# Altium PCB spin5v1_simple.PcbDoc (part 4 of 25) (continued)
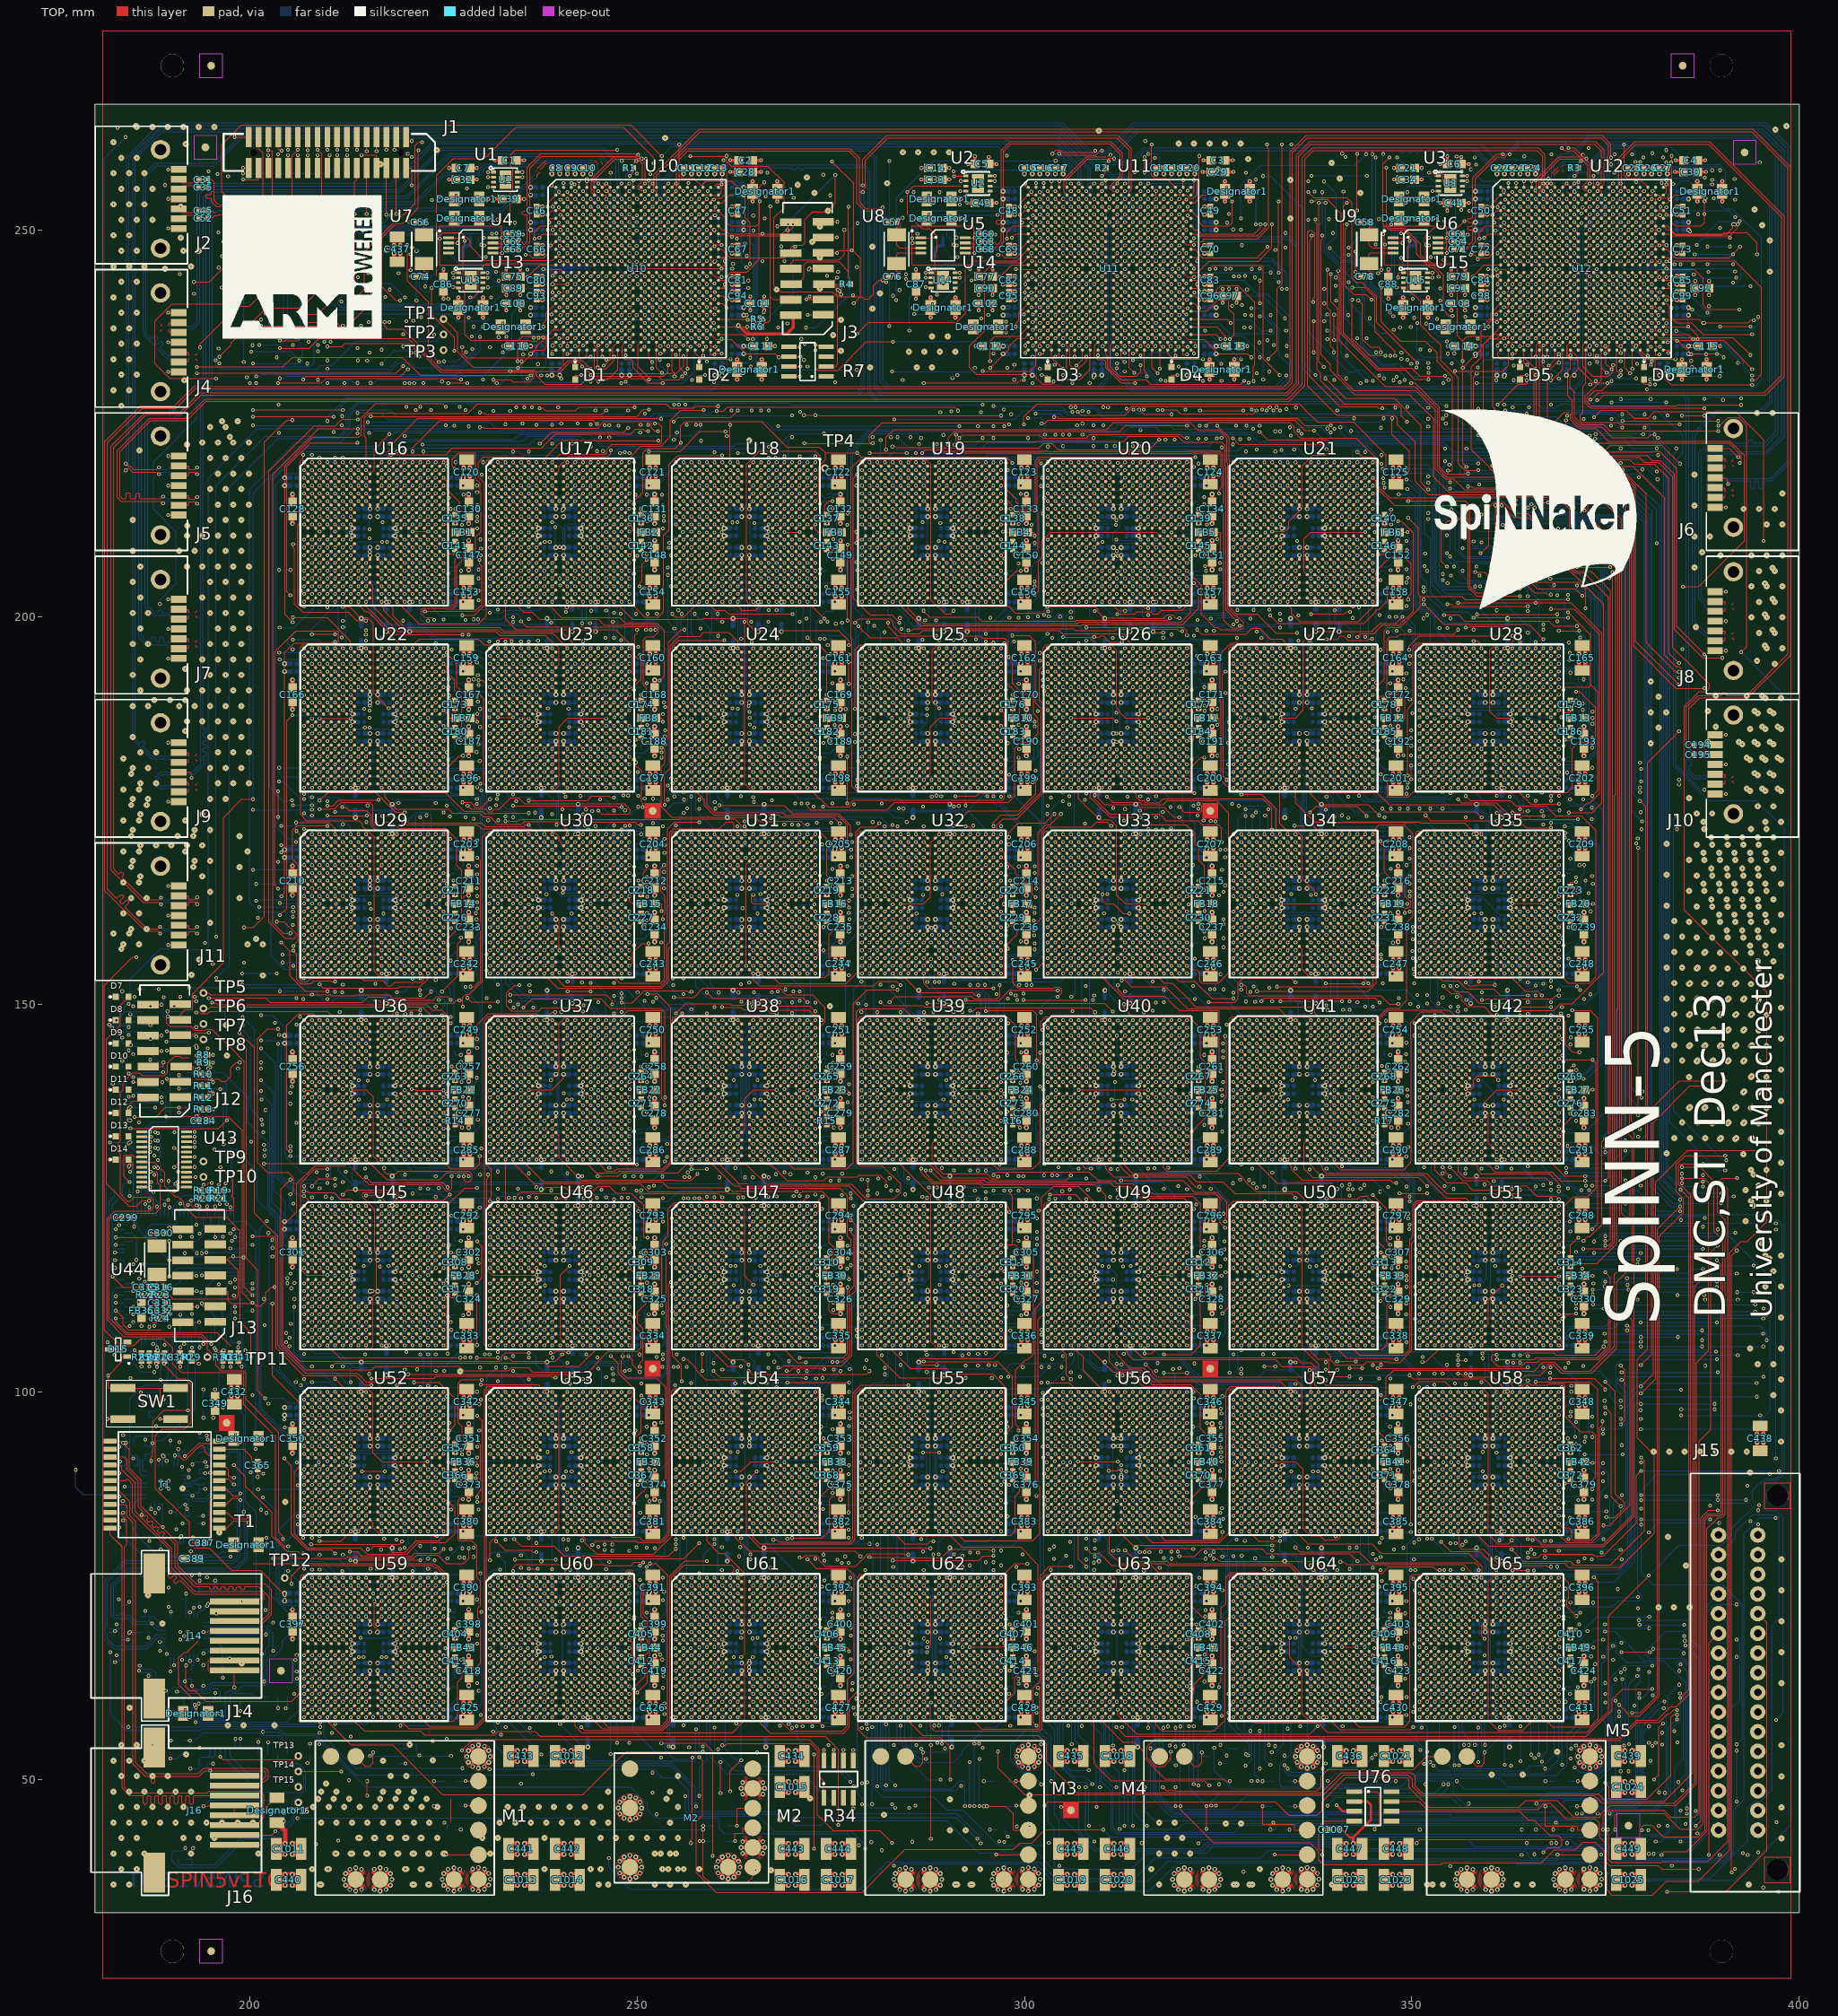
[diagram p0: TOP view]
## Nets (pads, with @x,y where several pads share a name; then routed paths per layer and width w, separated by ;. In a path a pad name is that pad's centre, name@x,y a point inside that pad or via, vN(x,y) a via of type N, cw(c..) or ccw(c..) an arc to the next point about the centre after c; other vN are vias at no path point) (continued)
U51.E13 U51.E14 U51.F9 U51.F11 U51.F12 U51.F13 U51.F14 U51.G12 U51.G13 U51.G14 U51.H5 U51.H6 U51.H7 U51.H17 U51.H18 U51.J12 U51.J13 U51.J14 U51.K5 U51.K6 U51.K7 U51.L12 U51.L13 U51.L14 U51.L17 U51.L18 U51.M5 U51.M6 U51.M7 U51.N5 U51.N6 U51.N7 U51.N8 U51.N10 U51.P5 U51.P6 U51.P7 U51.P8 U51.P10 U52.E9 U52.E11 U52.E12 U52.E13 U52.E14 U52.F9 U52.F11 U52.F12 U52.F13 U52.F14 U52.G12 U52.G13 U52.G14 U52.H5 U52.H6 U52.H7 U52.H17 U52.H18 U52.J12 U52.J13 U52.J14 U52.K5 U52.K6 U52.K7 U52.L12 U52.L13 U52.L14 U52.L17 U52.L18 U52.M5 U52.M6 U52.M7 U52.N5 U52.N6 U52.N7 U52.N8 U52.N10 U52.P5 U52.P6 U52.P7 U52.P8 U52.P10 U53.E9 U53.E11 U53.E12 U53.E13 U53.E14 U53.F9 U53.F11 U53.F12 U53.F13 U53.F14 U53.G12 U53.G13 U53.G14 U53.H5 U53.H6 U53.H7 U53.H17 U53.H18 U53.J12 U53.J13 U53.J14 U53.K5 U53.K6 U53.K7 U53.L12 U53.L13 U53.L14 U53.L17 U53.L18 U53.M5 U53.M6 U53.M7 U53.N5 U53.N6 U53.N7 U53.N8 U53.N10 U53.P5 U53.P6 U53.P7 U53.P8 U53.P10 U54.E9 U54.E11 U54.E12 U54.E13 U54.E14 U54.F9 U54.F11 U54.F12 U54.F13 U54.F14 U54.G12 U54.G13 U54.G14 U54.H5 U54.H6 U54.H7 U54.H17 U54.H18 U54.J12 U54.J13 U54.J14 U54.K5 U54.K6 U54.K7 U54.L12 U54.L13 U54.L14 U54.L17 U54.L18 U54.M5 U54.M6 U54.M7 U54.N5 U54.N6 U54.N7 U54.N8 U54.N10 U54.P5 U54.P6 U54.P7 U54.P8 U54.P10 U55.E9 U55.E11 U55.E12 U55.E13 U55.E14 U55.F9 U55.F11 U55.F12 U55.F13 U55.F14 U55.G12 U55.G13 U55.G14 U55.H5 U55.H6 U55.H7 U55.H17 U55.H18 U55.J12 U55.J13 U55.J14 U55.K5 U55.K6 U55.K7 U55.L12 U55.L13 U55.L14 U55.L17 U55.L18 U55.M5 U55.M6 U55.M7 U55.N5 U55.N6 U55.N7 U55.N8 U55.N10 U55.P5 U55.P6 U55.P7 U55.P8 U55.P10 U56.E9 U56.E11 U56.E12 U56.E13 U56.E14 U56.F9 U56.F11 U56.F12 U56.F13 U56.F14 U56.G12 U56.G13 U56.G14 U56.H5 U56.H6 U56.H7 U56.H17 U56.H18 U56.J12 U56.J13 U56.J14 U56.K5 U56.K6 U56.K7 U56.L12 U56.L13 U56.L14 U56.L17 U56.L18 U56.M5 U56.M6 U56.M7 U56.N5 U56.N6 U56.N7 U56.N8 U56.N10 U56.P5 U56.P6 U56.P7 U56.P8 U56.P10 U57.E9 U57.E11 U57.E12 U57.E13 U57.E14 U57.F9 U57.F11 U57.F12 U57.F13 U57.F14 U57.G12 U57.G13 U57.G14 U57.H5 U57.H6 U57.H7 U57.H17 U57.H18 U57.J12 U57.J13 U57.J14 U57.K5 U57.K6 U57.K7 U57.L12 U57.L13 U57.L14 U57.L17 U57.L18 U57.M5 U57.M6 U57.M7 U57.N5 U57.N6 U57.N7 U57.N8 U57.N10 U57.P5 U57.P6 U57.P7 U57.P8 U57.P10 U58.E9 U58.E11 U58.E12 U58.E13 U58.E14 U58.F9 U58.F11 U58.F12 U58.F13 U58.F14 U58.G12 U58.G13 U58.G14 U58.H5 U58.H6 U58.H7 U58.H17 U58.H18 U58.J12 U58.J13 U58.J14 U58.K5 U58.K6 U58.K7 U58.L12 U58.L13 U58.L14 U58.L17 U58.L18 U58.M5 U58.M6 U58.M7 U58.N5 U58.N6 U58.N7 U58.N8 U58.N10 U58.P5 U58.P6 U58.P7 U58.P8 U58.P10 U59.E9 U59.E11 U59.E12 U59.E13 U59.E14 U59.F9 U59.F11 U59.F12 U59.F13 U59.F14 U59.G12 U59.G13 U59.G14 U59.H5 U59.H6 U59.H7 U59.H17 U59.H18 U59.J12 U59.J13 U59.J14 U59.K5 U59.K6 U59.K7 U59.L12 U59.L13 U59.L14 U59.L17 U59.L18 U59.M5 U59.M6 U59.M7 U59.N5 U59.N6 U59.N7 U59.N8 U59.N10 U59.P5 U59.P6 U59.P7 U59.P8 U59.P10 U60.E9 U60.E11 U60.E12 U60.E13 U60.E14 U60.F9 U60.F11 U60.F12 U60.F13 U60.F14 U60.G12 U60.G13 U60.G14 U60.H5 U60.H6 U60.H7 U60.H17 U60.H18 U60.J12 U60.J13 U60.J14 U60.K5 U60.K6 U60.K7 U60.L12 U60.L13 U60.L14 U60.L17 U60.L18 U60.M5 U60.M6 U60.M7 U60.N5 U60.N6 U60.N7 U60.N8 U60.N10 U60.P5 U60.P6 U60.P7 U60.P8 U60.P10 U61.E9 U61.E11 U61.E12 U61.E13 U61.E14 U61.F9 U61.F11 U61.F12 U61.F13 U61.F14 U61.G12 U61.G13 U61.G14 U61.H5 U61.H6 U61.H7 U61.H17 U61.H18 U61.J12 U61.J13 U61.J14 U61.K5 U61.K6 U61.K7 U61.L12 U61.L13 U61.L14 U61.L17 U61.L18 U61.M5 U61.M6 U61.M7 U61.N5 U61.N6 U61.N7 U61.N8 U61.N10 U61.P5 U61.P6 U61.P7 U61.P8 U61.P10 U62.E9 U62.E11 U62.E12 U62.E13 U62.E14 U62.F9 U62.F11 U62.F12 U62.F13 U62.F14 U62.G12 U62.G13 U62.G14 U62.H5 U62.H6 U62.H7 U62.H17 U62.H18 U62.J12 U62.J13 U62.J14 U62.K5 U62.K6 U62.K7 U62.L12 U62.L13 U62.L14 U62.L17 U62.L18 U62.M5 U62.M6 U62.M7 U62.N5 U62.N6 U62.N7 U62.N8 U62.N10 U62.P5 U62.P6 U62.P7 U62.P8 U62.P10 U63.E9 U63.E11 U63.E12 U63.E13 U63.E14 U63.F9 U63.F11 U63.F12 U63.F13 U63.F14 U63.G12 U63.G13 U63.G14 U63.H5 U63.H6 U63.H7 U63.H17 U63.H18 U63.J12 U63.J13 U63.J14 U63.K5 U63.K6 U63.K7 U63.L12 U63.L13 U63.L14 U63.L17 U63.L18 U63.M5 U63.M6 U63.M7 U63.N5 U63.N6 U63.N7 U63.N8 U63.N10 U63.P5 U63.P6 U63.P7 U63.P8 U63.P10 U64.E9 U64.E11 U64.E12 U64.E13 U64.E14 U64.F9 U64.F11 U64.F12 U64.F13 U64.F14 U64.G12 U64.G13 U64.G14 U64.H5 U64.H6 U64.H7 U64.H17 U64.H18 U64.J12 U64.J13 U64.J14 U64.K5 U64.K6 U64.K7 U64.L12 U64.L13 U64.L14 U64.L17 U64.L18 U64.M5 U64.M6 U64.M7 U64.N5 U64.N6 U64.N7 U64.N8 U64.N10 U64.P5 U64.P6 U64.P7 U64.P8 U64.P10 U65.E9 U65.E11 U65.E12 U65.E13 U65.E14 U65.F9 U65.F11 U65.F12 U65.F13 U65.F14 U65.G12 U65.G13 U65.G14 U65.H5 U65.H6 U65.H7 U65.H17 U65.H18 U65.J12 U65.J13 U65.J14 U65.K5 U65.K6 U65.K7 U65.L12 U65.L13 U65.L14 U65.L17 U65.L18 U65.M5 U65.M6 U65.M7 U65.N5 U65.N6 U65.N7 U65.N8 U65.N10 U65.P5 U65.P6 U65.P7 U65.P8 U65.P10 U66.1 U66.6 U66.8 U66.10 U66.19 U67.10 U68.2 U69.11 U69.15 U69.16 U69.31 U69.41 U69.55 U69.72 U69.83 U69.97 U70.2 U71.33 U72.33 U73.2 U74.2 U75.2 U75.3 U75.8 U75.9 U75.10 U76.2 U77.4 | length 686.1
  TOP w0.127: v1(181.633,96.5) SW1.4@183.6,96.5 ; C299.2@184.53,122.5 185.066,122.5 v1(185.066,121.328) ; v1(184.556,136.773) 184.556,137.246 184.874,137.564 186.84,137.564 J12.2@186.84,138 ; v1(184.933,140) J12.4@186.84,140 ; U43.12@186.05,126.425 v1(187.117,126.425) ; U43.11@186.05,127.075 v1(187.231,127.075) ; U43.2@186.05,132.925 v1(187.231,132.925) ; v1(186.433,114.237) 186.506,114.164 186.506,113.933 187.03,113.933 C315.2@187.03,113.754 ; J12.8@186.84,144 v1(188.582,144) ; J12.10@186.84,146 v1(188.582,146) ; J12.14@186.84,150 v1(188.582,150) ; J12.6@186.875,142 188.765,142 188.836,142.071 v1(188.836,142.527) ; v1(187,103.268) R26.2@187,103.97 ; C315.2@187.03,113.5 C315.2@187.03,113.754 ; v1(187.257,120.5) C300.2@187.97,120.5 ; R23.2@187.97,112.5 187.97,112.923 187.565,112.923 187.565,113.5 C316.2@187.97,113.5 187.97,113.754 C315.2@187.03,113.754 ; v1(188,103.238) R27.2@188,103.97 ; v1(188.401,96.5) SW1.3@190.4,96.5 ; C332.2@189.03,110.5 189.03,110.067 v1(189.742,110.067) 189.742,111.373 189.615,111.5 C331.2@189.03,111.5 ; v1(189.443,157.69) J11.1@190.81,157.69 ; v1(189.443,161.5) J11.4@190.81,161.5 ; v1(189.443,165.31) J11.7@190.81,165.31 ; v1(189.443,176.19) J9.1@190.81,176.19 ; v1(189.443,183.81) J9.7@190.81,183.81 ; v1(189.443,194.69) J7.1@190.81,194.69 ; v1(189.443,198.5) J7.4@190.81,198.5 ; v1(189.443,202.31) J7.7@190.81,202.31 ; v1(189.443,213.19) J5.1@190.81,213.19 ; v1(189.443,217) J5.4@190.81,217 ; v1(189.443,220.81) J5.7@190.81,220.81 ; v1(189.443,231.69) J4.1@190.81,231.69 ; v1(189.443,235.5) J4.4@190.81,235.5 ; v1(189.443,239.31) J4.7@190.81,239.31 ; v1(189.443,250.19) J2.1@190.81,250.19 ; v1(189.443,254) J2.4@190.81,254 ; v1(189.443,257.81) J2.7@190.81,257.81 ; v1(189.598,117) J13.10@191.34,117 ; v1(189.598,121.237) 191.34,121.237 J13.14@191.34,121 ; v1(190.651,127.075) U43.14@191.8,127.075 ; v1(190.733,126.425) U43.13@191.8,126.425 ; v1(190.733,128.431) 191.8,128.431 U43.16@191.8,128.375 ; J9.4@190.81,180 192.212,180 192.466,179.746 v1(192.466,179.286) ; v1(191,103.258) C340.2@191,103.97 ; J13.2@191.34,109 v1(193.431,109) ; J13.4@191.34,111 v1(193.196,111) ; J13.8@191.34,115 v1(193.082,115) ; J13.6@191.375,113 v1(193.117,113) ; 191.4,58.5 v1(192.442,58.5) ; C389.2@191.6,78.5 192.366,78.5 v1(192.366,79.417) ; U43.15@191.8,127.725 v1(192.981,127.725) ; U43.22@191.8,132.275 v1(192.867,132.275) ; v1(192.623,81.237) 192.623,80.5 C387.2@193.22,80.5 ; C284.2@194.53,135 v1(195.242,135) ; v1(195.26,96.658) 195.26,97.6 C349.2@195.5,97.6 ; C341.2@198.5,103.97 198.5,103.498 198.74,103.258 v1(198.931,103.258) ; v1(199.103,256.509) 201.11,256.509 J1.32@201.11,258 ; v1(199.103,258) J1.34@199.84,258 ; v1(200.058,94) 201.1,94 ; v1(201,89.013) C365.2@201,89.97 ; 201.1,80.25 201.1,80.423 v1(202.142,80.423) ; J1.30@202.38,258 v1(202.38,259.667) ; J1.28@203.65,258 v1(203.65,259.781) ; J1.26@204.92,258 v1(204.92,259.667) ; J1.24@206.19,258 v1(206.19,259.667) ; J1.22@207.46,258 v1(207.46,259.667) ; J1.20@208.73,258 v1(208.73,259.667) ; J1.18@210,258 210.307,258 v1(210.307,259.667) ; v1(210,260.333) J1.17@210,262 ; v1(211.27,260.333) J1.15@211.27,262 ; v1(212.54,260.333) J1.13@212.54,262 ; v1(213.81,260.333) J1.11@213.81,262 ; v1(215.08,260.161) J1.9@215.08,262 ; v1(216.35,260.161) J1.7@216.35,262 ; v1(217.62,260.333) J1.5@217.62,262 ; v1(218.658,260.333) 218.658,262 J1.3@218.89,262 ; J1.1@220.16,262 220.16,261.47 v1(220.897,261.47) ; v1(220.577,251) C56.2@221.47,251 ; v1(220.758,244) C74.2@221.47,244 ; v1(225,161) 225,160.809 225.24,160.569 225.788,160.569 225.939,160.72 C226.2@226.5,160.72 ; v1(225,165) 225.082,165.082 225.741,165.082 225.939,165.28 C217.2@226.5,165.28 ; v1(225,209) 225.685,208.315 225.685,208.311 225.812,208.184 226.5,208.184 C141.2@226.5,208.72 ; U4.2@225.625,248.325 v1(226.806,248.325) ; v1(225.733,113.431) 225.733,113 225.862,112.871 225.862,112.311 225.989,112.184 226.5,112.184 C317.2@226.5,112.72 ; v1(225.734,189.28) C173.2@226.5,189.28 ; v1(225.734,213.28) C135.2@226.5,213.28 ; v1(225.968,117.993) 226.4,117.993 226.5,117.893 C308.2@226.5,117.28 ; v1(226.055,142) 226.26,142 226.5,141.76 C263.2@226.5,141.28 ; v1(226.258,242.637) 226.95,242.637 U13.4@226.95,242.525 ; C411.2@226.5,64.72 226.5,64.248 226.74,64.008 v1(226.968,64.008) ; C404.2@226.5,69.28 226.5,69.752 226.74,69.992 v1(226.968,69.992) ; C366.2@226.5,88.72 226.5,88.134 v1(227.237,88.134) ; C357.2@226.5,93.28 226.5,93.76 226.74,94 v1(226.968,94) ; C270.2@226.5,136.72 226.5,136.134 v1(227.237,136.134) ; C180.2@226.5,184.72 226.5,184.134 v1(227.237,184.134) ; v1(230.758,255.525) U1.4@231.45,255.525 ; U4.5@231.375,247.025 v1(232.556,247.025) ; v1(238.933,255.731) 238.942,255.731 239.173,255.5 U10.A1@239.5,255.5 ; v1(239,234) 239,234.5 U10.AB1@239.5,234.5 ; v1(240,247.928) 240.3,247.928 240.5,247.728 U10.J2@240.5,247.5 ; v1(240.066,243.901) 240.3,243.901 240.5,243.701 U10.N2@240.5,243.5 ; v1(240.099,239.009) 240.26,239.009 240.5,239.249 U10.U2@240.5,239.5 ; v1(240.099,251.935) 240.26,251.935 240.5,251.695 U10.E2@240.5,251.5 ; v1(243,235.099) 243.3,235.099 243.5,235.299 U10.AA5@243.5,235.5 ; U10.B7@245.5,254.5 246,254.5 246,254 ; v1(246.031,233.228) 246.494,233.228 246.891,233.625 246.891,234.891 U10.AA9@247.5,235.5 ; U10.A11@249.5,255.5 v1(249.5,256.421) ; v1(249.721,69.28) C405.2@250.5,69.28 ; v1(249.721,189.28) C174.2@250.5,189.28 ; v1(249.763,184.177) 250.5,184.177 C181.2@250.5,184.72 ; v1(250.069,64.008) 250.26,64.008 250.5,64.248 C412.2@250.5,64.72 ; v1(250.069,88.006) 250.26,88.006 250.5,88.246 C367.2@250.5,88.72 ; C358.2@250.5,93.28 v1(251.237,93.28) ; C318.2@250.5,112.72 250.5,112.184 251.124,112.184 v1(251.237,112.297) ; C309.2@250.5,117.28 v1(251.237,117.28) ; C271.2@250.5,136.72 250.5,136.134 v1(251.255,136.134) ; C264.2@250.5,141.28 v1(251.237,141.28) ; C227.2@250.5,160.72 250.5,160.248 250.74,160.008 v1(250.931,160.008) ; C218.2@250.5,165.28 250.806,165.28 250.806,166.991 251.227,167.412 v1(251.227,167.927) ; C142.2@250.5,208.72 250.5,208.134 v1(251.237,208.134) ; C136.2@250.5,213.28 v1(251.237,213.28) ; U10.A13@251.5,255.5 v1(251.5,256.421) ; U10.AA17@255.5,235.5 255.5,235.299 255.7,235.099 v1(256,235.099) ; U10.U21@259.5,239.5 259.5,239.299 259.7,239.099 v1(260,239.099) ; U10.N21@259.5,243.5 259.5,243.299 259.7,243.099 v1(260,243.099) ; U10.J21@259.5,247.5 259.5,247.701 259.7,247.901 v1(260,247.901) ; U10.E21@259.5,251.5 259.5,251.701 259.7,251.901 v1(260,251.901) ; U10.AB22@260.5,234.5 260.309,234.5 260.109,234.3 260.109,234.165 260.209,234.065 v1(260.901,234.065) ; U10.AA22@260.5,235.5 260.701,235.5 260.901,235.7 v1(260.901,235.931) ; U10.A22@260.5,255.5 260.309,255.5 260.109,255.7 260.109,255.801 260.209,255.901 v1(260.901,255.901) ; R7.7@269.6,232.37 v1(271.081,232.37) ; R7.6@269.6,233.64 v1(271.081,233.64) ; R7.5@269.6,234.91 269.6,234.895 v1(270.967,234.895) ; v1(271.858,241.04) J3.3@274.02,241.04 ; v1(272.027,239.04) J3.1@274.02,239.04 ; v1(272.129,244.915) 272.137,244.915 272.262,245.04 J3.7@274.02,245.04 ; v1(273.033,235.149) 274.4,235.149 R7.4@274.4,234.91 ; v1(273.763,136.184) 274.5,136.184 C272.2@274.5,136.72 ; J3.9@274.02,247.04 v1(275.78,247.04) ; J3.11@274.02,249.04 v1(275.777,249.04) ; J3.13@274.02,251.04 v1(275.832,251.04) ; v1(274.055,93.992) 274.26,93.992 274.5,93.752 C359.2@274.5,93.28 ; v1(274.062,160.008) 274.26,160.008 274.5,160.248 C228.2@274.5,160.72 ; J3.5@274.125,243 275,243 v1(275.827,243.827) ; C413.2@274.5,64.72 274.5,64.134 v1(275.237,64.134) ; C406.2@274.5,69.28 274.5,69.752 274.74,69.992 v1(274.968,69.992) ; C368.2@274.5,88.72 274.5,88.184 v1(275.237,88.184) ; C319.2@274.5,112.72 274.5,112.184 274.806,111.878 274.806,110.474 275.187,110.093 v2(276.25,110.093) ; C310.2@274.5,117.28 274.5,117.761 274.74,118.001 v1(274.968,118.001) ; C265.2@274.5,141.28 v1(275.237,141.28) ; C219.2@274.5,165.28 v1(275.237,165.28) ; C182.2@274.5,184.72 274.5,184.24 274.74,184 v1(274.931,184) ; C175.2@274.5,189.28 v1(275.237,189.28) ; C143.2@274.5,208.72 274.5,208.184 275.038,208.184 275.237,208.383 v1(275.237,208.868) ; C137.2@274.5,213.28 274.204,213.28 274.204,214.428 274.776,215 v1(275.227,215) ; R34.7@275.37,52.4 v1(275.37,53.767) ; v1(275.944,242.273) 275.944,243 R4.2@276.47,243 ; C279.2@276.233,135.117 C279.2@276.25,135.1 ; R34.6@276.64,52.4 v1(276.64,53.767) ; v1(277.91,46.233) R34.4@277.91,47.6 ; v1(282.155,243.263) 281.92,243.263 281.68,243.503 281.68,243.801 281.879,244 C76.2@282.47,244 ; C57.2@282.47,251 281.934,251 281.934,251.461 282.034,251.561 v1(284.279,251.561) ; v1(285.558,248.325) U5.2@286.625,248.325 ; v1(287.258,242.637) 287.95,242.637 U14.4@287.95,242.525 ; v1(291.706,255.025) U2.4@292.45,255.025 ; U5.5@292.375,247.025 v1(293.556,247.025) ; v1(297.623,213.992) 297.623,213.534 297.877,213.28 C138.2@298.5,213.28 ; v1(297.734,189.28) C176.2@298.5,189.28 ; v1(297.763,136.184) 298.5,136.184 C273.2@298.5,136.72 ; v1(297.763,160.184) 298.5,160.184 C229.2@298.5,160.72 ; v1(298.069,64.008) 298.26,64.008 298.5,64.248 C414.2@298.5,64.72 ; v1(298.069,69.992) 298.26,69.992 298.5,69.752 C407.2@298.5,69.28 ; C369.2@298.5,88.72 298.5,88.12 298.74,87.88 v1(298.968,87.88) ; C360.2@298.5,93.28 298.5,93.76 298.74,94 v1(298.968,94) ; C320.2@298.5,112.72 298.5,112.184 v1(299.237,112.184) ; C311.2@298.5,117.28 298.5,117.76 298.74,118 v1(298.968,118) ; C266.2@298.5,141.28 v1(299.237,141.28) ; C220.2@298.5,165.28 v1(299.267,165.28) ; C183.2@298.5,184.72 298.5,184.184 299.124,184.184 v1(299.237,184.297) ; C144.2@298.5,208.72 298.5,208.184 v1(299.237,208.184) ; v1(300.099,234.099) 300.099,234.3 300.299,234.5 U11.AB1@300.5,234.5 ; v1(300.099,255.997) 300.099,255.7 300.299,255.5 U11.A1@300.5,255.5 ; v1(301,243.927) 301.3,243.927 301.5,243.727 U11.N2@301.5,243.5 ; v1(301,247.901) 301.3,247.901 301.5,247.701 U11.J2@301.5,247.5 ; v1(301.099,239.099) 301.3,239.099 301.5,239.299 U11.U2@301.5,239.5 ; v1(301.099,251.901) 301.3,251.901 301.5,251.701 U11.E2@301.5,251.5 ; U11.AA5@304.5,235.5 304.5,235.299 304.7,235.099 v1(305,235.099) ; v1(308,235) 308.5,235 U11.AA9@308.5,235.5 ; U11.A11@310.5,255.5 v1(310.5,256.421) ; U11.AA13@312.5,235.5 312.5,235.24 312.74,235 v1(312.952,235) ; U11.AA17@316.5,235.5 316.5,235.24 316.74,235 v1(316.901,235) ; U11.B17@316.5,254.5 317,254.5 v1(317,255) ; U11.U21@320.5,239.5 320.5,239.299 320.7,239.099 v1(320.901,239.099) ; U11.N21@320.5,243.5 320.5,243.305 320.74,243.065 v1(320.901,243.065) ; U11.J21@320.5,247.5 320.5,247.24 320.74,247 v1(320.901,247) ; U11.E21@320.5,251.5 320.5,251.305 320.74,251.065 v1(320.901,251.065) ; v1(321.099,255.065) 321.099,255.3 321.299,255.5 U11.A22@321.5,255.5 ; U11.AB22@321.5,234.5 321.701,234.5 321.901,234.3 v1(321.901,234.065) ; U11.AA22@321.5,235.5 322.065,235.5 v1(322.065,235) ; v1(321.734,93.28) C361.2@322.5,93.28 ; v1(321.734,117.28) C312.2@322.5,117.28 ; v1(321.734,141.28) C267.2@322.5,141.28 ; v1(321.734,165.28) C221.2@322.5,165.28 ; v1(322.055,208.008) 322.26,208.008 322.5,208.248 C145.2@322.5,208.72 ; v1(322.069,112.005) 322.26,112.005 322.5,112.245 C321.2@322.5,112.72 ; C415.2@322.5,64.72 322.5,64.24 322.74,64 v1(322.931,64) ; C408.2@322.5,69.28 v1(323.237,69.28) ; C370.2@322.5,88.72 322.5,88.184 322.982,88.184 323.3,88.502 v1(323.3,89) ; C274.2@322.5,136.72 322.5,136.248 322.74,136.008 v1(322.931,136.008) ; C230.2@322.5,160.72 322.5,160.248 322.74,160.008 v1(322.931,160.008) ; C184.2@322.5,184.72 322.5,184.108 322.6,184.008 v1(323.037,184.008) ; C177.2@322.5,189.28 v1(323.237,189.28) ; C139.2@322.5,213.28 v1(323.237,213.28) ; C1007.2@340.53,43.5 C1007.2@340.555,43.475 ; v1(342.758,244) C78.2@343.47,244 ; v1(342.758,251) C58.2@343.47,251 ; v1(345.671,112.8) 345.671,112.311 345.798,112.184 346.5,112.184 C322.2@346.5,112.72 ; v1(345.671,208.138) 346.5,208.138 C146.2@346.5,208.72 ; v1(345.734,165.28) C222.2@346.5,165.28 ; v1(345.763,189.2) 345.763,189.689 345.89,189.816 346.5,189.816 C178.2@346.5,189.28 ; v1(346.055,117.992) 346.26,117.992 346.5,117.752 C313.2@346.5,117.28 ; v1(346.069,160.008) 346.26,160.008 346.5,160.248 C231.2@346.5,160.72 ; v1(346.168,93.742) 346.26,93.742 346.5,93.502 C364.2@346.5,93.03 ; C416.2@346.5,64.72 346.5,64.134 v1(347.237,64.134) ; C409.2@346.5,69.28 346.5,69.9 346.6,70 v1(347.227,70) ; C371.2@346.5,88.72 346.5,88.134 v1(347.237,88.134) ; C275.2@346.5,136.72 346.5,136.134 v1(347.237,136.134) ; C268.2@346.5,141.28 v1(347.237,141.28) ; C185.2@346.5,184.72 346.5,184.134 v1(347.237,184.134) ; C140.2@346.5,213.28 v1(347.335,213.28) ; U6.2@347.625,248.325 v1(348.806,248.325) ; v1(348.034,242.568) 348.103,242.637 348.95,242.637 U15.4@348.95,242.525 ; v1(352.706,255.025) U3.4@353.45,255.025 ; U6.5@353.375,247.025 v1(354.556,247.025) ; U12.AB1@361.5,234.5 361.109,234.109 361.109,233.721 361.427,233.403 v1(362.97,233.403) ; U12.A1@361.5,255.5 361.701,255.5 361.901,255.3 v1(361.901,255.099) ; v1(362,252) 362.5,252 U12.E2@362.5,251.5 ; v1(362.065,239.066) 362.3,239.066 362.5,239.266 U12.U2@362.5,239.5 ; v1(362.099,243) 362.26,243 362.5,243.24 U12.N2@362.5,243.5 ; v1(362.099,248) 362.26,248 362.5,247.76 U12.J2@362.5,247.5 ; v1(365,235.099) 365.3,235.099 365.5,235.299 U12.AA5@365.5,235.5 ; U12.B7@367.5,254.5 367.5,254 368,254 ; v1(369,235.099) 369.3,235.099 369.5,235.299 U12.AA9@369.5,235.5 ; v1(369.763,88.184) 370.5,88.184 C372.2@370.5,88.72 ; v1(369.763,184.184) 370.5,184.184 C186.2@370.5,184.72 ; C417.2@370.5,64.72 370.5,64.248 370.74,64.008 v1(370.931,64.008) ; C410.2@370.5,69.28 v1(371.237,69.28) ; C362.2@370.5,93.28 v1(371.237,93.28) ; C323.2@370.5,112.72 370.5,112.184 v1(371.237,112.184) ; C314.2@370.5,117.28 370.5,118.927 v1(371.5,119.927) ; v1(370.5,135.925) C276.2@370.5,136.72 ; C269.2@370.5,141.28 370.5,141.899 370.74,142.139 v1(370.931,142.139) ; C232.2@370.5,160.72 370.806,160.72 370.806,160.248 371.046,160.008 v1(371.093,160.008) ; C223.2@370.5,165.28 370.5,165.816 v1(371.237,165.816) ; C179.2@370.5,189.28 v1(371.237,189.28) ; U12.A11@371.5,255.5 v1(371.5,256.181) ; U12.AA13@373.5,235.5 373.5,235.299 373.7,235.099 v1(373.901,235.099) ; U12.A13@373.5,255.5 v1(373.5,256.997) ; v1(377,234.099) 377,235 U12.AA17@377.5,235.5 ; U12.U21@381.5,239.5 381.5,239.24 381.74,239 v1(381.901,239) ; U12.N21@381.5,243.5 381.5,243.727 381.7,243.927 v1(382,243.927) ; U12.J21@381.5,247.5 381.5,248 v1(382,248) ; U12.E21@381.5,251.5 381.5,251.736 381.7,251.936 v1(382,251.936) ; U12.AB22@382.5,234.5 383.425,234.5 383.496,234.429 383.496,234.349 383.256,234.109 v1(383.135,234.109) ; U12.AA22@382.5,235.5 v1(383.067,235.5) ; U12.A22@382.5,255.5 382.701,255.5 382.901,255.7 v1(382.901,255.901) ; J10.7@389.19,177.19 v1(390.557,177.19) ; J10.4@389.19,181 v1(390.557,181) ; J10.1@389.19,184.81 v1(390.557,184.81) ; J8.7@389.19,195.69 v1(390.557,195.69) ; J8.4@389.19,199.5 v1(390.557,199.5) ; J8.1@389.19,203.31 v1(390.557,203.31) ; J6.7@389.19,214.19 v1(390.557,214.19) ; J6.4@389.19,218 390.465,218 390.846,217.619 v1(390.846,217.183) ; J6.1@389.19,221.81 391.027,221.81 v1(392.167,220.67)
  TOP w0.2: C59.2@234.53,249.5 235.1,249.5 235.2,249.4 v1(235.242,249.4) ; C60.2@295.53,249.5 296.1,249.5 296.2,249.4 v1(296.242,249.4) ; C61.2@356.53,249.5 357.1,249.5 357.2,249.4 v1(357.242,249.4)
  TOP w0.3: C1007.2@340.555,43.475 341.03,43.475 342.014,42.491 342.45,42.491 ; v2(342.45,41.7) 342.45,42.491 ; U76.2@342.6,47.13 344.277,47.13 344.719,46.688 344.719,44.76 342.45,42.491
  TOP w0.4: 215.883,36.118 M1.3@216.825,37.06 ; 215.883,38.002 M1.3@216.825,37.06 ; v2@216.825,35.8 M1.3@216.825,37.06 ; v2@216.825,38.32 M1.3@216.825,37.06 ; 217.767,36.118 M1.3@216.825,37.06 ; 217.767,38.002 M1.3@216.825,37.06 ; v1(225,241.1) C86.2@225,242.1 ; 225.403,36.118 M1.4@226.345,37.06 ; 225.403,38.002 M1.4@226.345,37.06 ; v1(225.7,256.5) C32.2@226.6,256.5 ; v1(225.7,258) C7.2@226.6,258 ; v2@226.345,35.8 M1.4@226.345,37.06 ; v2@226.345,38.32 M1.4@226.345,37.06 ; 227.287,36.118 M1.4@226.345,37.06 ; 227.287,38.002 M1.4@226.345,37.06 ; v1(231.6,254) C39.2@232.6,254 ; v1(231.6,259) C1.2@232.6,259 ; v1(232.7,235) C110.2@233.6,235 ; v1(233.1,239.6) C100.2@233.1,240.5 ; v1(233.1,241.6) C89.2@233.1,242.5 ; C75.2@233.1,244 v1(233.1,245) ; 248.118,37.708 M2.3@249.06,38.65 ; 248.118,39.592 M2.3@249.06,38.65 ; v2@249.06,37.39 M2.3@249.06,38.65 ; v2@249.06,39.91 M2.3@249.06,38.65 ; 250.002,37.708 M2.3@249.06,38.65 ; 250.002,39.592 M2.3@249.06,38.65 ; v2@263.67,41.19 M2.6@264.93,41.19 ; 263.988,40.248 M2.6@264.93,41.19 ; 263.988,42.132 M2.6@264.93,41.19 ; C28.2@264.9,257.5 v1(266,257.5) ; C2.2@264.9,259 v1(266,259) ; 265.872,40.248 M2.6@264.93,41.19 ; 265.872,42.132 M2.6@264.93,41.19 ; v2@266.19,41.19 M2.6@264.93,41.19 ; v1(266.4,239.6) C101.2@266.4,240.5 v1(266.4,241.4) ; C111.2@266.9,235 v1(267.8,235) ; v1(286,241.1) C87.2@286,242.1 ; v1(286.7,256.5) C33.2@287.6,256.5 ; v1(286.7,258) C14.2@287.6,258 ; 286.883,36.118 M3.3@287.825,37.06 ; 286.883,38.002 M3.3@287.825,37.06 ; v2@287.825,35.8 M3.3@287.825,37.06 ; v2@287.825,38.32 M3.3@287.825,37.06 ; 288.767,36.118 M3.3@287.825,37.06 ; 288.767,38.002 M3.3@287.825,37.06 ; v1(292.6,253.5) C43.2@293.6,253.5 ; v1(292.7,258.5) C5.2@293.6,258.5 v1(293.6,259.5) ; v1(293.7,235) C112.2@294.6,235 ; v1(294.1,239.6) C102.2@294.1,240.5 ; v1(294.1,241.6) C90.2@294.1,242.5 ; C77.2@294.1,244 v1(294.1,245) ; 296.403,36.118 M3.4@297.345,37.06 ; 296.403,38.002 M3.4@297.345,37.06 ; v2@297.345,35.8 M3.4@297.345,37.06 ; v2@297.345,38.32 M3.4@297.345,37.06 ; 298.287,36.118 M3.4@297.345,37.06 ; 298.287,38.002 M3.4@297.345,37.06 ; 322.883,36.118 M4.3@323.825,37.06 ; 322.883,38.002 M4.3@323.825,37.06 ; v2@323.825,35.8 M4.3@323.825,37.06 ; v2@323.825,38.32 M4.3@323.825,37.06 ; 324.767,36.118 M4.3@323.825,37.06 ; 324.767,38.002 M4.3@323.825,37.06 ; C29.2@325.9,257.5 v1(327,257.5) ; C3.2@325.9,259 v1(326.9,259) ; v1(327.4,240.6) C97.2@327.4,241.5 v1(327.4,242.4) ; C113.2@327.9,235 v1(328.8,235) ; 332.403,36.118 M4.4@333.345,37.06 ; 332.403,38.002 M4.4@333.345,37.06 ; v2@333.345,35.8 M4.4@333.345,37.06 ; v2@333.345,38.32 M4.4@333.345,37.06 ; 334.287,36.118 M4.4@333.345,37.06 ; 334.287,38.002 M4.4@333.345,37.06 ; v1(347,241.1) C88.2@347,242.1 ; v1(347.7,256.5) C34.2@348.6,256.5 ; v1(347.7,258) C21.2@348.6,258 ; v1(353.7,253.5) C44.2@354.6,253.5 v1(354.6,252.5) ; v1(353.7,258.5) C6.2@354.6,258.5 v1(354.6,259.5) ; v1(354.7,235) C114.2@355.6,235 ; v1(355.1,239.6) C103.2@355.1,240.5 ; v1(355.1,241.6) C91.2@355.1,242.5 ; C79.2@355.1,244 v1(355.1,245) ; 359.383,36.118 M5.3@360.325,37.06 ; 359.383,38.002 M5.3@360.325,37.06 ; v2@360.325,35.8 M5.3@360.325,37.06 ; v2@360.325,38.32 M5.3@360.325,37.06 ; 361.267,36.118 M5.3@360.325,37.06 ; 361.267,38.002 M5.3@360.325,37.06 ; 368.903,36.118 M5.4@369.845,37.06 ; 368.903,38.002 M5.4@369.845,37.06 ; v2@369.845,35.8 M5.4@369.845,37.06 ; v2@369.845,38.32 M5.4@369.845,37.06 ; 370.787,36.118 M5.4@369.845,37.06 ; 370.787,38.002 M5.4@369.845,37.06 ; C30.2@386.9,257.5 v1(388,257.5) ; C4.2@386.9,259 v1(387.9,259) ; v1(388.4,241.6) C92.2@388.4,242.5 v1(388.4,243.4) ; C115.2@388.9,235 v1(389.8,235)
  TOP w0.6: 203.5,44.4 204.55,43.35 v2(204.55,41.7) ; v1(225.3,251.5) 226.4,251.5 v1(227.6,251.5) ; v1(225.3,254) 226.4,254 v1(227.6,254) ; v1(226.9,238.7) 226.9,240 v1(226.9,241.3) ; v1(231.3,237.5) 232.4,237.5 v1(233.4,237.5) ; v1(266.1,230.7) 266.1,232 v1(266.1,233.3) ; v1(268.1,253.7) 268.1,255 v1(268.1,256.3) ; v1(286.3,251.5) 287.4,251.5 v1(288.6,251.5) ; v1(286.3,254) 287.4,254 v1(288.6,254) ; v1(287.9,238.7) 287.9,240 v1(287.9,241.3) ; v1(292.3,237.5) 293.4,237.5 v1(294.4,237.5) ; v1(327.1,230.7) 327.1,232 v1(327.1,233.3) ; v1(329.1,253.7) 329.1,255 v1(329.1,256.3) ; v1(347.3,251.5) 348.4,251.5 v1(349.6,251.5) ; v1(347.3,254) 348.4,254 v1(349.6,254) ; v1(348.9,238.7) 348.9,240 v1(348.9,241.3) ; v1(353.3,237.5) 354.4,237.5 v1(355.4,237.5) ; v1(388.1,230.7) 388.1,232 v1(388.1,233.3) ; v1(390.1,253.7) 390.1,255 v1(390.1,256.3)
  TOP w0.61: v2(237.76,242) v2@237.762,242 ; v2(237.76,244) v2@237.762,244 ; v2(237.76,248) v2@237.762,248 ; v2(237.76,253) v2@237.762,253 ; v2@240,257.238 v2(240,257.24) ; v2@242,257.238 v2(242,257.24) ; v2@244,257.238 v2(244,257.24) ; v2@257,257.238 v2(257,257.24) ; v2@259,257.238 v2(259,257.24) ; v2@261,257.238 v2(261,257.24) ; v2@262.238,241 v2(262.24,241) ; v2@262.238,243 v2(262.24,243) ; v2@262.238,247 v2(262.24,247) ; v2@262.238,252 v2(262.24,252) ; v2(298.76,242) v2@298.762,242 ; v2(298.76,244) v2@298.762,244 ; v2(298.76,248) v2@298.762,248 ; v2(298.76,253) v2@298.762,253 ; v2@301,257.238 v2(301,257.24) ; v2@303,257.238 v2(303,257.24) ; v2@305,257.238 v2(305,257.24) ; v2@318,257.238 v2(318,257.24) ; v2@320,257.238 v2(320,257.24) ; v2@322,257.238 v2(322,257.24) ; v2@323.238,241 v2(323.24,241) ; v2@323.238,243 v2(323.24,243) ; v2@323.238,247 v2(323.24,247) ; v2@323.238,252 v2(323.24,252) ; v2(359.76,242) v2@359.762,242 ; v2(359.76,244) v2@359.762,244 ; v2(359.76,248) v2@359.762,248 ; v2(359.76,253) v2@359.762,253 ; v2@362,257.238 v2(362,257.24) ; v2@364,257.238 v2(364,257.24) ; v2@366,257.238 v2(366,257.24) ; v2@379,257.238 v2(379,257.24) ; v2@381,257.238 v2(381,257.24) ; v2@383,257.238 v2(383,257.24) ; v2@384.238,241 v2(384.24,241) ; v2@384.238,243 v2(384.24,243) ; v2@384.238,247 v2(384.24,247) ; v2@384.238,252 v2(384.24,252)

## Text inside footprints (layer, text, board x,y; h text height)
U35: PIN_NUMBER "J17" at 367.166,163.5 h0.24; PIN_NUMBER "M17" at 367.166,160.5 h0.24; PIN_NUMBER "M18" at 368.166,160.5 h0.24; PIN_NUMBER "J18" at 368.166,163.5 h0.24; PIN_NUMBER "B18" at 368.166,170.5 h0.24; PIN_NUMBER "G16" at 366.166,165.5 h0.24; PIN_NUMBER "J16" at 366.166,163.5 h0.24; PIN_NUMBER "C17" at 367.166,169.5 h0.24; PIN_NUMBER "C18" at 368.166,169.5 h0.24; PIN_NUMBER "D16" at 366.166,168.5 h0.24; PIN_NUMBER "K15" at 365.166,162.5 h0.24; PIN_NUMBER "K16" at 366.166,162.5 h0.24; PIN_NUMBER "E18" at 368.166,167.5 h0.24; PIN_NUMBER "F16" at 366.166,166.5 h0.24; PIN_NUMBER "M16" at 366.166,160.5 h0.24; PIN_NUMBER "P14" at 364.166,158.5 h0.24; PIN_NUMBER "N13" at 363.166,159.5 h0.24; PIN_NUMBER "N14" at 364.166,159.5 h0.24; PIN_NUMBER "M12" at 362.166,160.5 h0.24; PIN_NUMBER "M13" at 363.166,160.5 h0.24; PIN_NUMBER "M14" at 364.166,160.5 h0.24; PIN_NUMBER "H12" at 362.166,164.5 h0.24; PIN_NUMBER "H13" at 363.166,164.5 h0.24; PIN_NUMBER "H14" at 364.166,164.5 h0.24; PIN_NUMBER "E6" at 355.854,167.5 h0.24; PIN_NUMBER "E7" at 356.854,167.5 h0.24; PIN_NUMBER "F7" at 356.854,166.5 h0.24; PIN_NUMBER "E8" at 357.854,167.5 h0.24; PIN_NUMBER "F8" at 357.854,166.5 h0.24; PIN_NUMBER "L5" at 354.854,161.5 h0.24; PIN_NUMBER "L6" at 355.854,161.5 h0.24; PIN_NUMBER "L7" at 356.854,161.5 h0.24; PIN_NUMBER "G7" at 356.854,165.5 h0.24; PIN_NUMBER "G5" at 354.854,165.5 h0.24; PIN_NUMBER "G6" at 355.854,165.5 h0.24; PIN_NUMBER "F5" at 354.854,166.5 h0.24; PIN_NUMBER "F6" at 355.854,166.5 h0.24; PIN_NUMBER "E5" at 354.854,167.5 h0.24; PIN_NUMBER "P11" at 361.166,158.5 h0.24; PIN_NUMBER "N11" at 361.166,159.5 h0.24; PIN_NUMBER "P12" at 362.166,158.5 h0.24; PIN_NUMBER "N12" at 362.166,159.5 h0.24; PIN_NUMBER "P13" at 363.166,158.5 h0.24; PIN_NUMBER "K12" at 362.166,162.5 h0.24; PIN_NUMBER "K13" at 363.166,162.5 h0.24; PIN_NUMBER "K14" at 364.166,162.5 h0.24; PIN_NUMBER "E10" at 359.936,167.5 h0.24; PIN_NUMBER "F10" at 359.936,166.5 h0.24; PIN_NUMBER "J5" at 354.854,163.5 h0.24; PIN_NUMBER "J6" at 355.854,163.5 h0.24; PIN_NUMBER "J7" at 356.854,163.5 h0.24; PIN_NUMBER "N9" at 358.854,159.5 h0.24; PIN_NUMBER "P9" at 358.854,158.5 h0.24; PIN_NUMBER "C16" at 366.166,169.5 h0.24; PIN_NUMBER "G17" at 367.166,165.5 h0.24; PIN_NUMBER "C13" at 363.166,169.5 h0.24; PIN_NUMBER "B13" at 363.166,170.5 h0.24; PIN_NUMBER "A13" at 363.166,171.5 h0.24; PIN_NUMBER "D14" at 364.166,168.5 h0.24; PIN_NUMBER "C14" at 364.166,169.5 h0.24; PIN_NUMBER "B14" at 364.166,170.5 h0.24; PIN_NUMBER "A14" at 364.166,171.5 h0.24; PIN_NUMBER "K17" at 367.166,162.5 h0.24; PIN_NUMBER "K18" at 368.166,162.5 h0.24; PIN_NUMBER "L15" at 365.166,161.5 h0.24; PIN_NUMBER "L16" at 366.166,161.5 h0.24; PIN_NUMBER "V6" at 355.854,154.5 h0.24; PIN_NUMBER "R7" at 356.854,157.5 h0.24; PIN_NUMBER "T5" at 354.854,156.5 h0.24; PIN_NUMBER "U5" at 354.854,155.5 h0.24; PIN_NUMBER "V5" at 354.854,154.5 h0.24; PIN_NUMBER "T4" at 353.854,156.5 h0.24; PIN_NUMBER "U4" at 353.854,155.5 h0.24; PIN_NUMBER "V4" at 353.854,154.5 h0.24; PIN_NUMBER "V3" at 352.854,154.5 h0.24; PIN_NUMBER "T7" at 356.854,156.5 h0.24; PIN_NUMBER "U7" at 356.854,155.5 h0.24; PIN_NUMBER "V7" at 356.854,154.5 h0.24; PIN_NUMBER "R6" at 355.854,157.5 h0.24; PIN_NUMBER "T6" at 355.854,156.5 h0.24; PIN_NUMBER "U6" at 355.854,155.5 h0.24; PIN_NUMBER "R5" at 354.854,157.5 h0.24; PIN_NUMBER "R17" at 367.166,157.5 h0.24; PIN_NUMBER "V18" at 368.166,154.5 h0.24; PIN_NUMBER "P18" at 368.166,158.5 h0.24; PIN_NUMBER "P17" at 367.166,158.5 h0.24; PIN_NUMBER "P16" at 366.166,158.5 h0.24; PIN_NUMBER "N18" at 368.166,159.5 h0.24; PIN_NUMBER "N17" at 367.166,159.5 h0.24; PIN_NUMBER "N16" at 366.166,159.5 h0.24; PIN_NUMBER "N15" at 365.166,159.5 h0.24; PIN_NUMBER "U18" at 368.166,155.5 h0.24; PIN_NUMBER "U17" at 367.166,155.5 h0.24; PIN_NUMBER "T18" at 368.166,156.5 h0.24; PIN_NUMBER "T17" at 367.166,156.5 h0.24; PIN_NUMBER "T16" at 366.166,156.5 h0.24; PIN_NUMBER "R18" at 368.166,157.5 h0.24; PIN_NUMBER "R16" at 366.166,157.5 h0.24; PIN_NUMBER "V12" at 362.166,154.5 h0.24; PIN_NUMBER "R13" at 363.166,157.5 h0.24; PIN_NUMBER "T15" at 365.166,156.5 h0.24; PIN_NUMBER "U15" at 365.166,155.5 h0.24; PIN_NUMBER "V15" at 365.166,154.5 h0.24; PIN_NUMBER "R14" at 364.166,157.5 h0.24; PIN_NUMBER "T14" at 364.166,156.5 h0.24; PIN_NUMBER "U14" at 364.166,155.5 h0.24; PIN_NUMBER "V14" at 364.166,154.5 h0.24; PIN_NUMBER "T13" at 363.166,156.5 h0.24; PIN_NUMBER "U13" at 363.166,155.5 h0.24; PIN_NUMBER "V13" at 363.166,154.5 h0.24; PIN_NUMBER "R12" at 362.166,157.5 h0.24; PIN_NUMBER "T12" at 362.166,156.5 h0.24; PIN_NUMBER "U12" at 362.166,155.5 h0.24; PIN_NUMBER "V16" at 366.166,154.5 h0.24; PIN_NUMBER "V8" at 357.854,154.5 h0.24; PIN_NUMBER "R9" at 358.854,157.5 h0.24; PIN_NUMBER "T11" at 361.166,156.5 h0.24; PIN_NUMBER "U11" at 361.166,155.5 h0.24; PIN_NUMBER "V11" at 361.166,154.5 h0.24; PIN_NUMBER "R10" at 359.936,157.5 h0.24; PIN_NUMBER "T10" at 359.936,156.5 h0.24; PIN_NUMBER "U10" at 359.936,155.5 h0.24; PIN_NUMBER "V10" at 359.936,154.5 h0.24; PIN_NUMBER "T9" at 358.854,156.5 h0.24; PIN_NUMBER "U9" at 358.854,155.5 h0.24; PIN_NUMBER "V9" at 358.854,154.5 h0.24; PIN_NUMBER "R8" at 357.854,157.5 h0.24; PIN_NUMBER "T8" at 357.854,156.5 h0.24; PIN_NUMBER "U8" at 357.854,155.5 h0.24; PIN_NUMBER "R11" at 361.166,157.5 h0.24; PIN_NUMBER "A8" at 357.854,171.5 h0.24; PIN_NUMBER "D9" at 358.854,168.5 h0.24; PIN_NUMBER "C11" at 361.166,169.5 h0.24; PIN_NUMBER "B11" at 361.166,170.5 h0.24; PIN_NUMBER "A11" at 361.166,171.5 h0.24; PIN_NUMBER "D10" at 359.936,168.5 h0.24; PIN_NUMBER "C10" at 359.936,169.5 h0.24; PIN_NUMBER "B10" at 359.936,170.5 h0.24; PIN_NUMBER "A10" at 359.936,171.5 h0.24; PIN_NUMBER "C9" at 358.854,169.5 h0.24; PIN_NUMBER "B9" at 358.854,170.5 h0.24; PIN_NUMBER "A9" at 358.854,171.5 h0.24; PIN_NUMBER "D8" at 357.854,168.5 h0.24; PIN_NUMBER "C8" at 357.854,169.5 h0.24; PIN_NUMBER "B8" at 357.854,170.5 h0.24; PIN_NUMBER "D11" at 361.166,168.5 h0.24; PIN_NUMBER "A3" at 352.854,171.5 h0.24; PIN_NUMBER "D5" at 354.854,168.5 h0.24; PIN_NUMBER "C7" at 356.854,169.5 h0.24; PIN_NUMBER "B7" at 356.854,170.5 h0.24; PIN_NUMBER "A7" at 356.854,171.5 h0.24; PIN_NUMBER "D6" at 355.854,168.5 h0.24; PIN_NUMBER "C6" at 355.854,169.5 h0.24; PIN_NUMBER "B6" at 355.854,170.5 h0.24; PIN_NUMBER "A6" at 355.854,171.5 h0.24; PIN_NUMBER "C5" at 354.854,169.5 h0.24; PIN_NUMBER "B5" at 354.854,170.5 h0.24; PIN_NUMBER "A5" at 354.854,171.5 h0.24; PIN_NUMBER "C4" at 353.854,169.5 h0.24; PIN_NUMBER "B4" at 353.854,170.5 h0.24; PIN_NUMBER "A4" at 353.854,171.5 h0.24; PIN_NUMBER "D7" at 356.854,168.5 h0.24; PIN_NUMBER "C15" at 365.166,169.5 h0.24; PIN_NUMBER "B15" at 365.166,170.5 h0.24; PIN_NUMBER "A15" at 365.166,171.5 h0.24; PIN_NUMBER "B16" at 366.166,170.5 h0.24; PIN_NUMBER "A16" at 366.166,171.5 h0.24; PIN_NUMBER "A17" at 367.166,171.5 h0.24; PIN_NUMBER "A18" at 368.166,171.5 h0.24; PIN_NUMBER "B17" at 367.166,170.5 h0.24; PIN_NUMBER "H16" at 366.166,164.5 h0.24; PIN_NUMBER "H15" at 365.166,164.5 h0.24; PIN_NUMBER "B12" at 362.166,170.5 h0.24; PIN_NUMBER "C12" at 362.166,169.5 h0.24; PIN_NUMBER "A12" at 362.166,171.5 h0.24; PIN_NUMBER "D13" at 363.166,168.5 h0.24; PIN_NUMBER "F17" at 367.166,166.5 h0.24; PIN_NUMBER "F18" at 368.166,166.5 h0.24; PIN_NUMBER "D17" at 367.166,168.5 h0.24; PIN_NUMBER "D18" at 368.166,168.5 h0.24; PIN_NUMBER "E16" at 366.166,167.5 h0.24; PIN_NUMBER "E17" at 367.166,167.5 h0.24; PIN_NUMBER "L12" at 362.166,161.5 h0.24; PIN_NUMBER "L13" at 363.166,161.5 h0.24; PIN_NUMBER "L14" at 364.166,161.5 h0.24; PIN_NUMBER "L17" at 367.166,161.5 h0.24; PIN_NUMBER "L18" at 368.166,161.5 h0.24; PIN_NUMBER "J12" at 362.166,163.5 h0.24; PIN_NUMBER "J13" at 363.166,163.5 h0.24; PIN_NUMBER "J14" at 364.166,163.5 h0.24; PIN_NUMBER "H17" at 367.166,164.5 h0.24; PIN_NUMBER "H18" at 368.166,164.5 h0.24; PIN_NUMBER "G12" at 362.166,165.5 h0.24; PIN_NUMBER "G13" at 363.166,165.5 h0.24; PIN_NUMBER "G14" at 364.166,165.5 h0.24; PIN_NUMBER "F13" at 363.166,166.5 h0.24; PIN_NUMBER "F14" at 364.166,166.5 h0.24; PIN_NUMBER "E14" at 364.166,167.5 h0.24; PIN_NUMBER "E9" at 358.854,167.5 h0.24; PIN_NUMBER "F9" at 358.854,166.5 h0.24; PIN_NUMBER "F11" at 361.166,166.5 h0.24; PIN_NUMBER "E11" at 361.166,167.5 h0.24; PIN_NUMBER "F12" at 362.166,166.5 h0.24; PIN_NUMBER "E12" at 362.166,167.5 h0.24; PIN_NUMBER "E13" at 363.166,167.5 h0.24; PIN_NUMBER "P5" at 354.854,158.5 h0.24; PIN_NUMBER "N6" at 355.854,159.5 h0.24; PIN_NUMBER "N5" at 354.854,159.5 h0.24; PIN_NUMBER "M5" at 354.854,160.5 h0.24; PIN_NUMBER "M6" at 355.854,160.5 h0.24; PIN_NUMBER "M7" at 356.854,160.5 h0.24; PIN_NUMBER "K5" at 354.854,162.5 h0.24; PIN_NUMBER "K6" at 355.854,162.5 h0.24; PIN_NUMBER "K7" at 356.854,162.5 h0.24; PIN_NUMBER "H5" at 354.854,164.5 h0.24; PIN_NUMBER "H6" at 355.854,164.5 h0.24; PIN_NUMBER "H7" at 356.854,164.5 h0.24; PIN_NUMBER "P6" at 355.854,158.5 h0.24; PIN_NUMBER "N7" at 356.854,159.5 h0.24; PIN_NUMBER "P7" at 356.854,158.5 h0.24; PIN_NUMBER "N8" at 357.854,159.5 h0.24; PIN_NUMBER "P8" at 357.854,158.5 h0.24; PIN_NUMBER "P10" at 359.936,158.5 h0.24; PIN_NUMBER "N10" at 359.936,159.5 h0.24; PIN_NUMBER "D12" at 362.166,168.5 h0.24; PIN_NUMBER "G15" at 365.166,165.5 h0.24; PIN_NUMBER "M15" at 365.166,160.5 h0.24; PIN_NUMBER "G18" at 368.166,165.5 h0.24; PIN_NUMBER "R15" at 365.166,157.5 h0.24; PIN_NUMBER "P15" at 365.166,158.5 h0.24; PIN_NUMBER "J15" at 365.166,163.5 h0.24; PIN_NUMBER "F15" at 365.166,166.5 h0.24; PIN_NUMBER "E15" at 365.166,167.5 h0.24; PIN_NUMBER "D15" at 365.166,168.5 h0.24; PIN_NUMBER "V17" at 367.166,154.5 h0.24; PIN_NUMBER "U16" at 366.166,155.5 h0.24; PIN_NUMBER "M3" at 352.854,160.5 h0.24; PIN_NUMBER "M1" at 350.624,160.5 h0.24; PIN_NUMBER "R4" at 353.854,157.5 h0.24; PIN_NUMBER "N2" at 351.854,159.5 h0.24; PIN_NUMBER "F3" at 352.854,166.5 h0.24; PIN_NUMBER "D1" at 350.624,168.5 h0.24; PIN_NUMBER "D4" at 353.854,168.5 h0.24; PIN_NUMBER "D3" at 352.854,168.5 h0.24; PIN_NUMBER "C3" at 352.854,169.5 h0.24; PIN_NUMBER "C2" at 351.854,169.5 h0.24; PIN_NUMBER "C1" at 350.624,169.5 h0.24; PIN_NUMBER "B3" at 352.854,170.5 h0.24; PIN_NUMBER "B2" at 351.854,170.5 h0.24; PIN_NUMBER "V2" at 351.854,154.5 h0.24; PIN_NUMBER "V1" at 350.624,154.5 h0.24; PIN_NUMBER "B1" at 350.624,170.5 h0.24; PIN_NUMBER "U3" at 352.854,155.5 h0.24; PIN_NUMBER "U2" at 351.854,155.5 h0.24; PIN_NUMBER "U1" at 350.624,155.5 h0.24; PIN_NUMBER "T3" at 352.854,156.5 h0.24; PIN_NUMBER "T2" at 351.854,156.5 h0.24; PIN_NUMBER "T1" at 350.624,156.5 h0.24; PIN_NUMBER "R2" at 351.854,157.5 h0.24; PIN_NUMBER "R1" at 350.624,157.5 h0.24; PIN_NUMBER "P4" at 353.854,158.5 h0.24; PIN_NUMBER "P3" at 352.854,158.5 h0.24; PIN_NUMBER "A2" at 351.854,171.5 h0.24; PIN_NUMBER "P2" at 351.854,158.5 h0.24; PIN_NUMBER "P1" at 350.624,158.5 h0.24; PIN_NUMBER "N4" at 353.854,159.5 h0.24; PIN_NUMBER "N3" at 352.854,159.5 h0.24; PIN_NUMBER "F2" at 351.854,166.5 h0.24; PIN_NUMBER "F1" at 350.624,166.5 h0.24; PIN_NUMBER "E4" at 353.854,167.5 h0.24; PIN_NUMBER "E3" at 352.854,167.5 h0.24; PIN_NUMBER "E2" at 351.854,167.5 h0.24; PIN_NUMBER "E1" at 350.624,167.5 h0.24; PIN_NUMBER "A1" at 350.624,171.5 h0.24; PIN_NUMBER "R3" at 352.854,157.5 h0.24; PIN_NUMBER "N1" at 350.624,159.5 h0.24; PIN_NUMBER "F4" at 353.854,166.5 h0.24; PIN_NUMBER "D2" at 351.854,168.5 h0.24; PIN_NUMBER "J4" at 353.854,163.5 h0.24; PIN_NUMBER "J3" at 352.854,163.5 h0.24; PIN_NUMBER "M4" at 353.854,160.5 h0.24; PIN_NUMBER "J1" at 350.624,163.5 h0.24; PIN_NUMBER "J2" at 351.854,163.5 h0.24; PIN_NUMBER "M2" at 351.854,160.5 h0.24; PIN_NUMBER "G1" at 350.624,165.5 h0.24; PIN_NUMBER "G2" at 351.854,165.5 h0.24; PIN_NUMBER "K4" at 353.854,162.5 h0.24; PIN_NUMBER "H2" at 351.854,164.5 h0.24; PIN_NUMBER "L1" at 350.624,161.5 h0.24; PIN_NUMBER "H1" at 350.624,164.5 h0.24; PIN_NUMBER "L2" at 351.854,161.5 h0.24; PIN_NUMBER "G4" at 353.854,165.5 h0.24; PIN_NUMBER "L3" at 352.854,161.5 h0.24; PIN_NUMBER "G3" at 352.854,165.5 h0.24; PIN_NUMBER "L4" at 353.854,161.5 h0.24; PIN_NUMBER "K1" at 350.624,162.5 h0.24; PIN_NUMBER "H4" at 353.854,164.5 h0.24; PIN_NUMBER "K3" at 352.854,162.5 h0.24; PIN_NUMBER "H3" at 352.854,164.5 h0.24; PIN_NUMBER "K2" at 351.854,162.5 h0.24